# Altium PCB CASCADED thru hole preamp amps and LP+BP filter stages.PcbDoc
Units mil, origin at the board's own origin, x right, y up, seen from the top; angles counter-clockwise.
Board outline 2080 x 3135 mil, 4 copper layers (Top Layer, gnd1, gnd2, Bottom Layer), stack 23.756 mil thick; 47 components, 30 nets, 133 pads, 120 vias.
Unrouted connection lines stored in the file: 4.
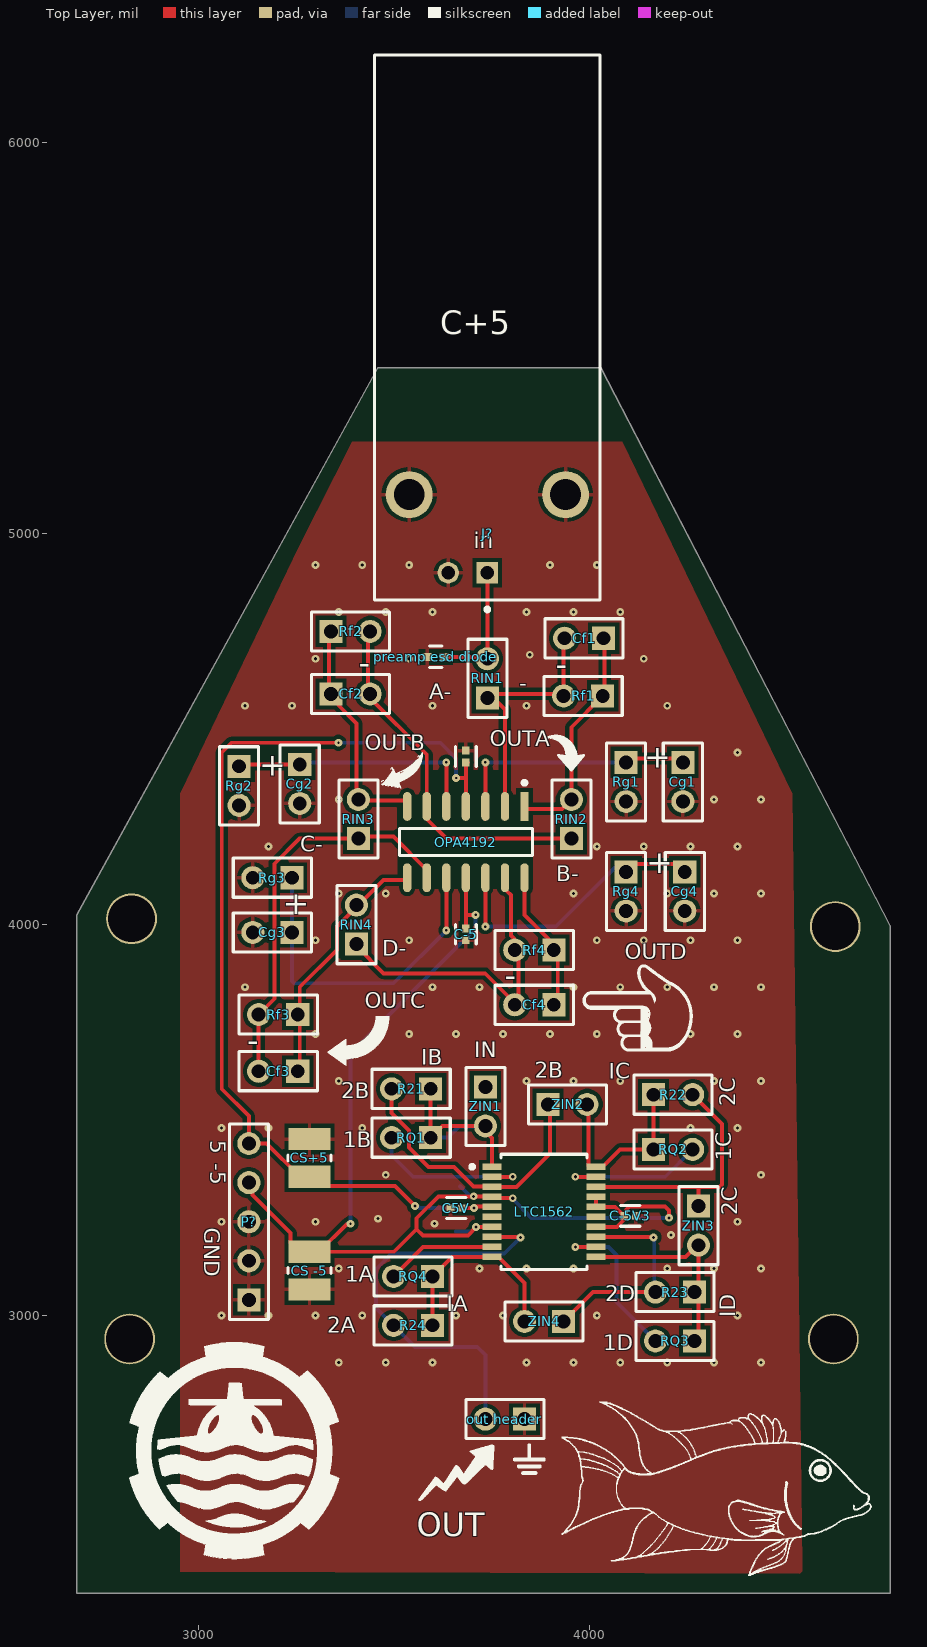
[diagram p0: Top Layer view]
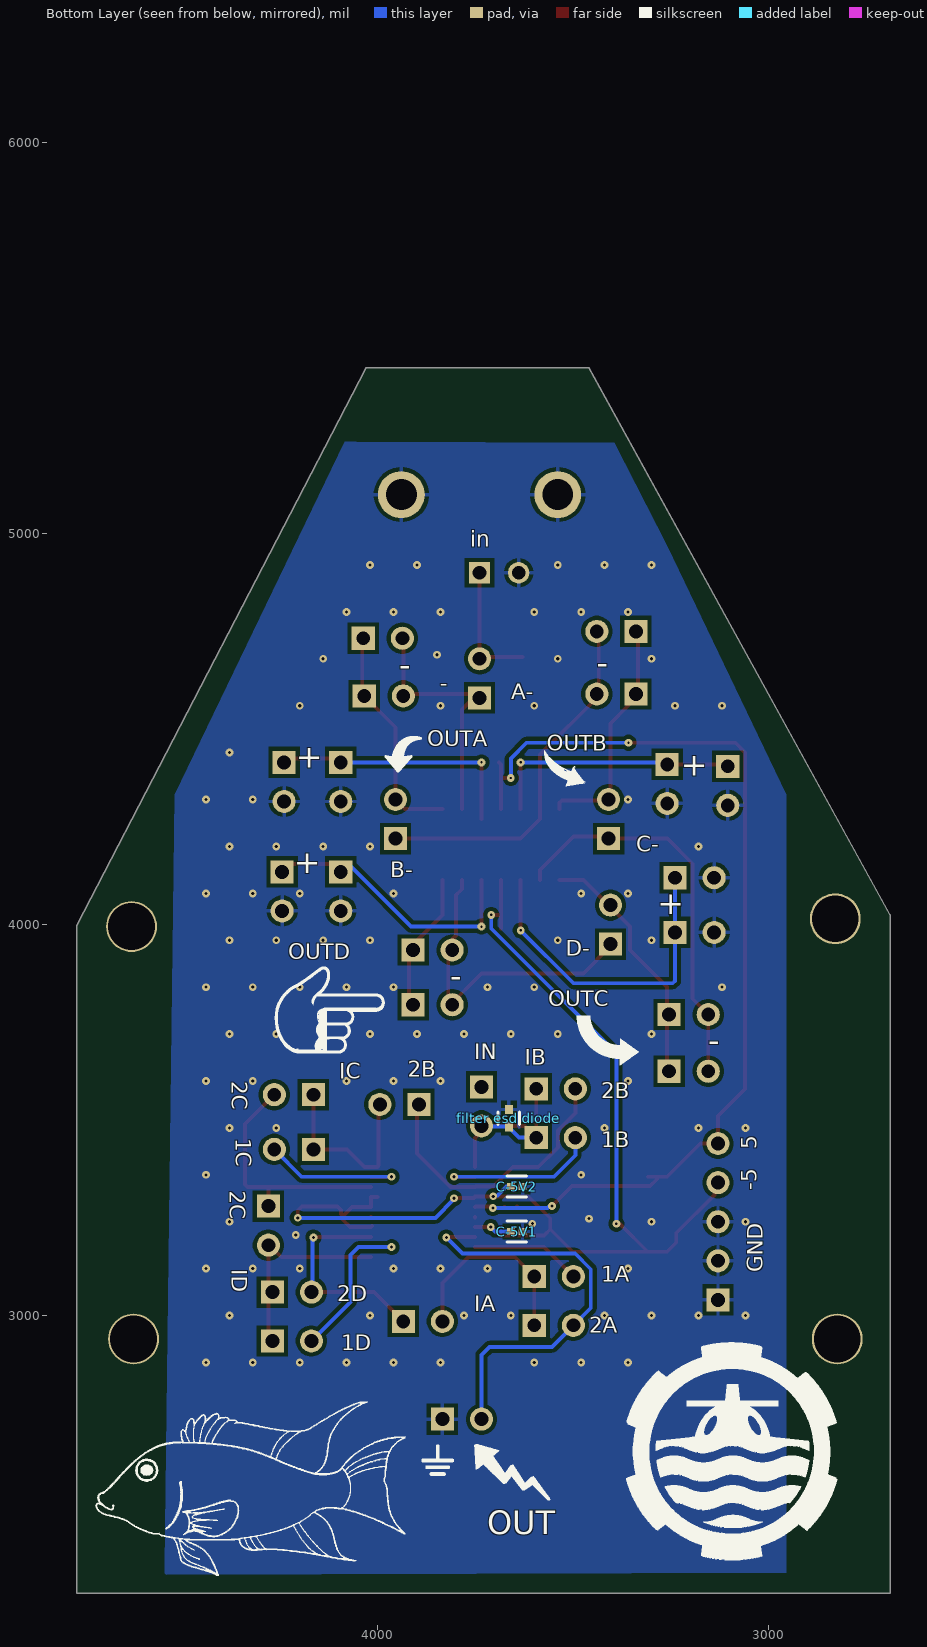
[diagram p1: Bottom Layer view, seen from below]
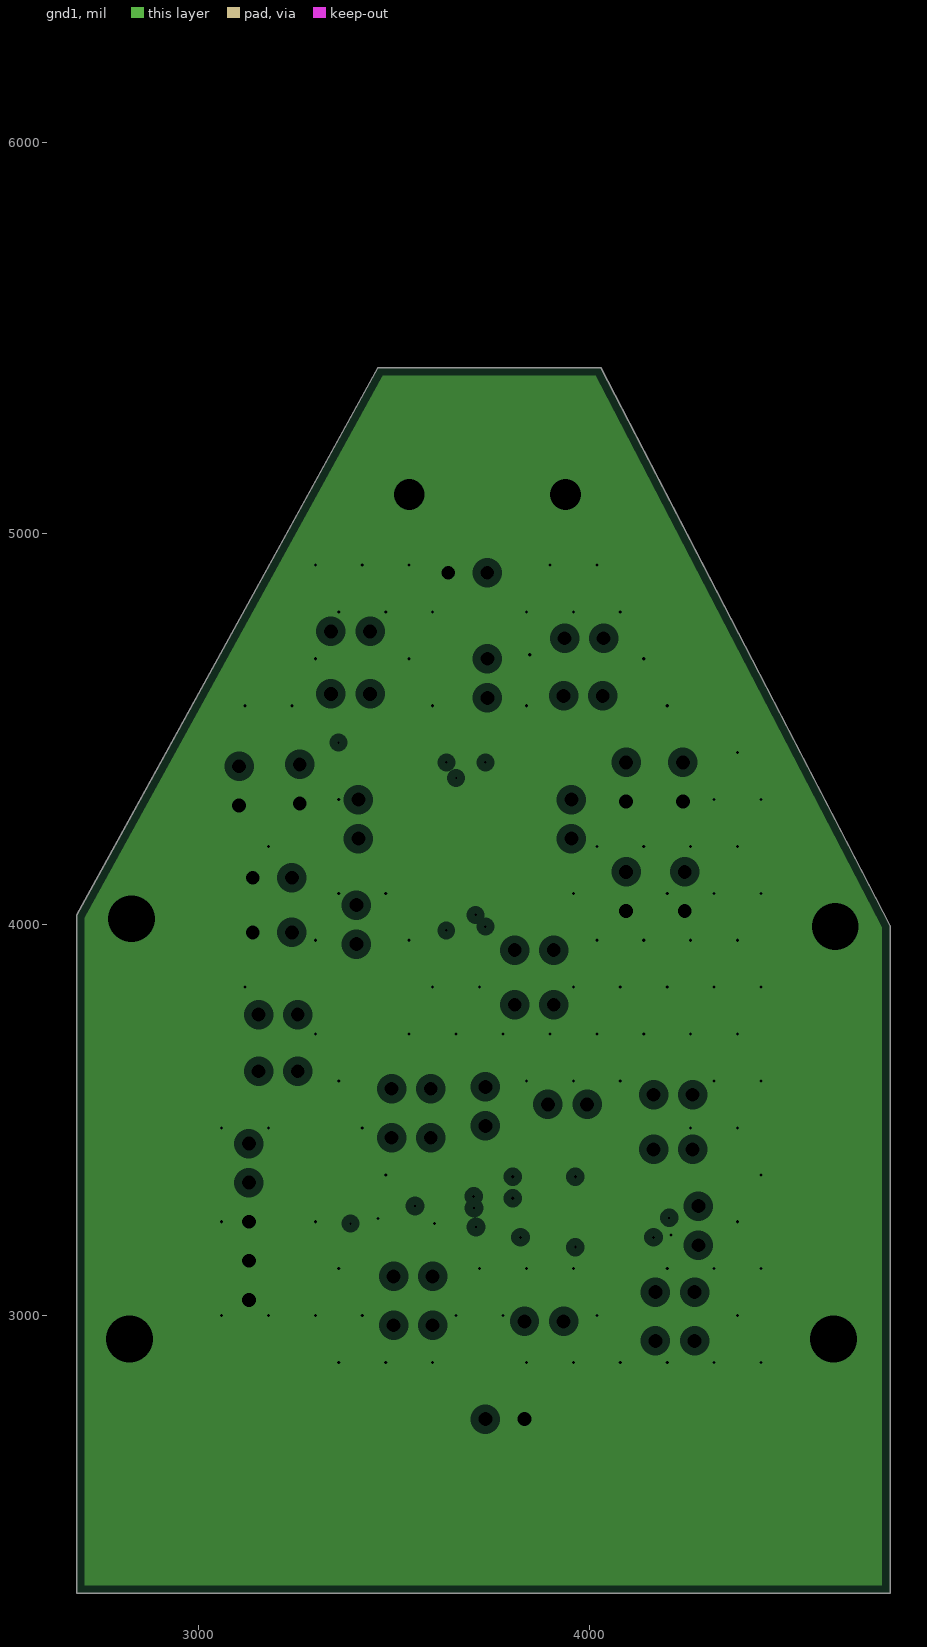
[diagram p2: gnd1, clearances drawn from the general rule]
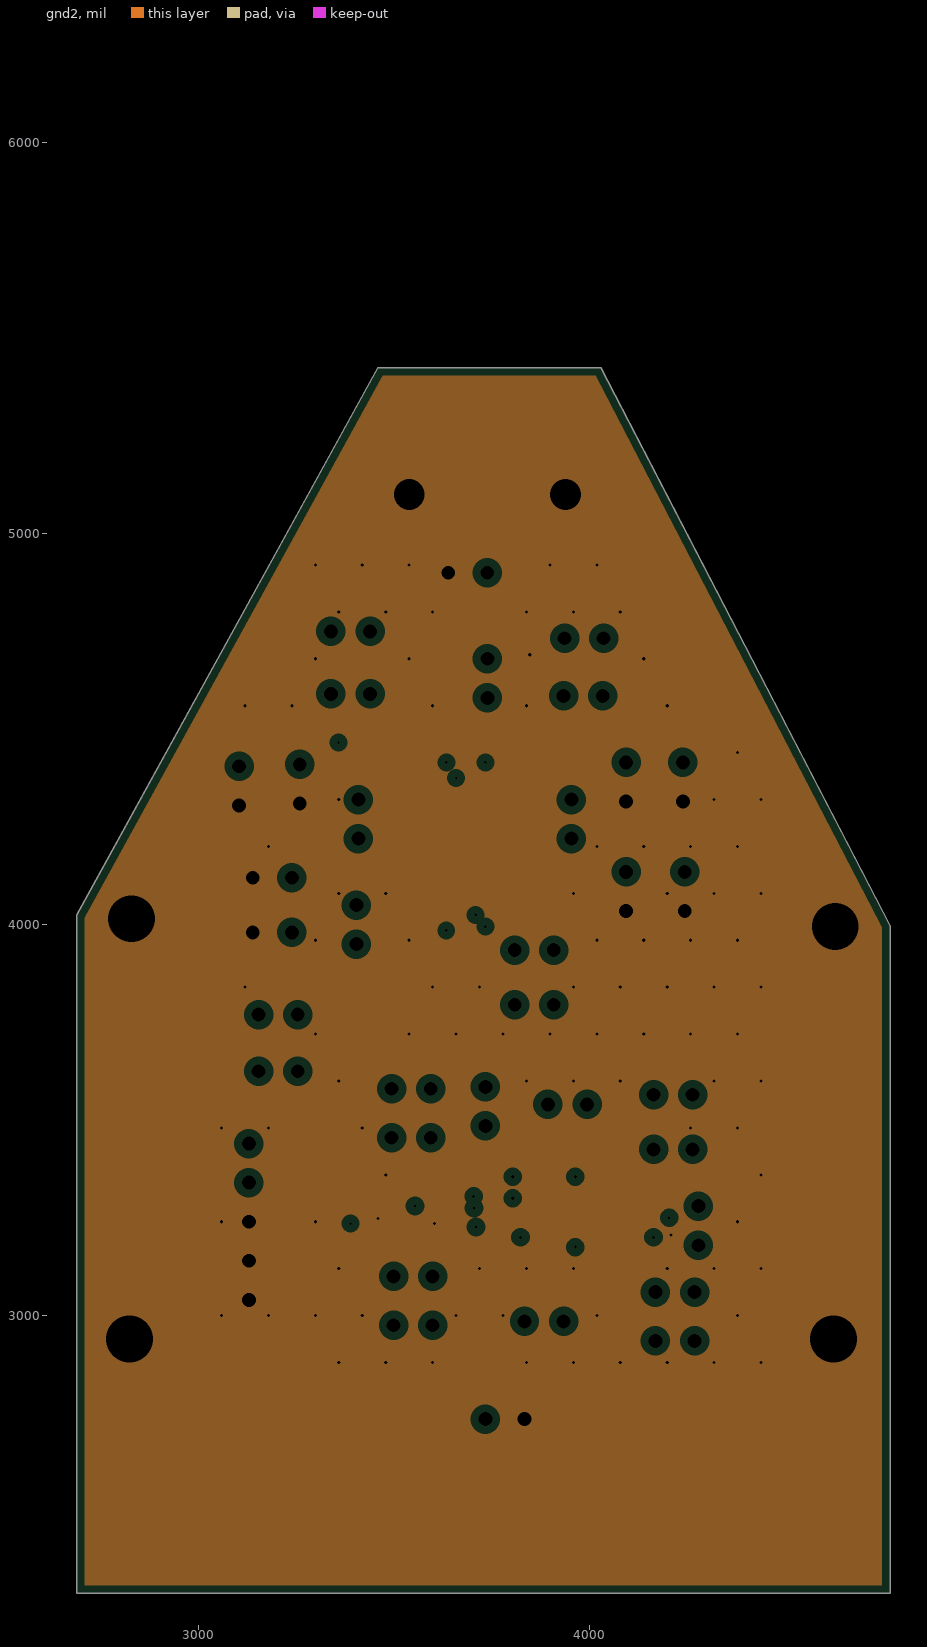
[diagram p3: gnd2, clearances drawn from the general rule]
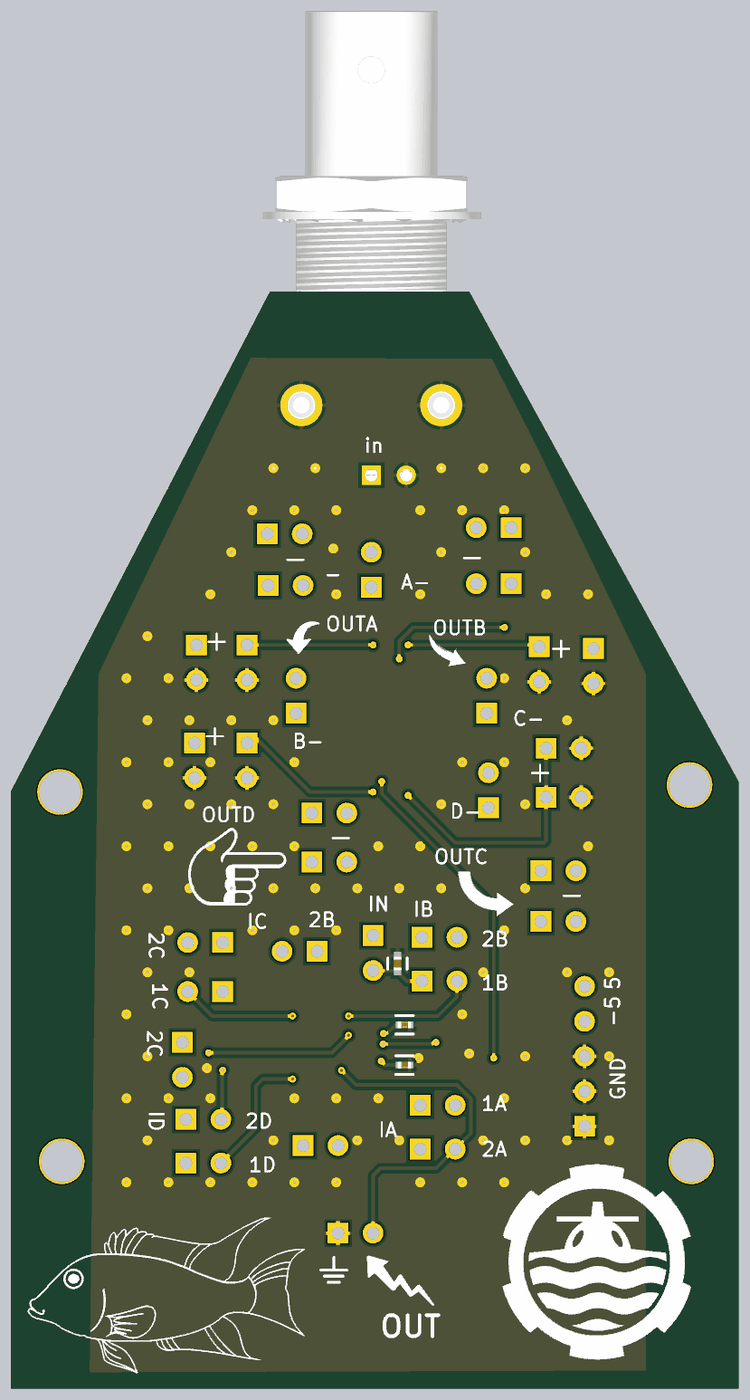
[diagram p4: 3D render of the assembled board from below, using the file's embedded part models]

## Layer stack, top to bottom
Top Solder: solder mask 0.4, Solder Resist, Dk 3.5
Top Layer: signal copper 1.4
Dielectric 2: prepreg 2.8, PP-006, Dk 4.1
gnd1: plane copper 1.378, net GND
Dielectric 1: dielectric 12.6, FR-4, Dk 4.8
gnd2: plane copper 1.378, net GND
Dielectric 3: prepreg 2.8, PP-006, Dk 4.1
Bottom Layer: signal copper 1.4
Bottom Solder: solder mask 0.4, Solder Resist, Dk 3.5

## Board outline
3460.28,5425 4029.6,5425 4770,3997.63 4770,2290 2690,2290 2690,4025

## Design rules (kind name [scope] priority, off if disabled: settings)
BoardOutlineClearance [All] p1: gap=30 ignorepadtopadclearanceinfootprint=FALSE
Clearance [All] p1: gap=10 ignorepadtopadclearanceinfootprint=FALSE except(0: Arc-Hole Track-Hole SMDPad-Hole THPad-Hole Via-Hole Fill-Hole Poly-Hole Region-Hole Text-Hole)
PlaneClearance [All] p1: clearance=20
PlaneConnect [All] p1: pad.planeconnectstyle=Relief pad.reliefexpansion=20 pad.reliefentries=4 pad.reliefconductorwidth=10 pad.reliefairgap=10 via.planeconnectstyle=Direct via.reliefexpansion=20 via.reliefentries=4 via.reliefconductorwidth=10 via.reliefairgap=10
PolygonConnect [All] p1: thpad.connectstyle=Relief thpad.reliefconductorwidth=10 thpad.reliefentries=4 thpad.polygonreliefangle="90 Angle" thpad.airgapwidth=10 smdpad.connectstyle=Relief smdpad.reliefconductorwidth=10 smdpad.reliefentries=4 smdpad.polygonreliefangle="90 Angle" smdpad.airgapwidth=10 via.connectstyle=Direct via.reliefconductorwidth=10 via.reliefentries=4 via.polygonreliefangle="90 Angle" via.airgapwidth=10
RoutingVias [All] p1: holewidth=6 width=20 viastyle="Through Hole" minholewidth=6 minwidth=20 maxholewidth=6 maxwidth=20
SolderMaskExpansion [All] p1: expansion=4 istentingtop=FALSE
Width [All] p1: maxlimit=10 minlimit=10 preferedwidth=10
28 further rules are at their usual default settings.

## Classes and differential pairs
component class "Thru hole preamp with charge or INV stages with input resistors": C+5 C-5 CF1 CF2 CF3 CF4 CG1 CG2 CG3 CG4 J? OPA4192 "preamp esd diode" RF1 RF2 RF3 RF4 RG1 RG2 RG3 RG4 RIN1 RIN2 RIN3 RIN4
component class "thru hole LTC1562 8th order 4 LP or BP stages": C5V C-5V1 C-5V2 C-5V3 "CS -5" CS+5 "filter esd diode" LTC1562 "out header" P? R21 R22 R23 R24 RQ1 RQ2 RQ3 RQ4 ZIN1 ZIN2 ZIN3 ZIN4

## Components (designator, comment, footprint, x,y, rotation, side; value= is the part's Value field where it differs from the comment)
C5V "CL05A104KA5NNNC" FP-CL278-IPC_C 3660.1,3275 r0 top
C+5 "CL05A104KA5NNNC" FP-CL278-IPC_C 3685,4430.1 r90 top
C-5 "CL05A104KA5NNNC" FP-CL278-IPC_C 3685,3975 r270 top
C-5V1 "CL05A104KA5NNNC" FP-CL278-IPC_C 3645.1,3215 r180 bottom
C-5V2 "CL05A104KA5NNNC" FP-CL278-IPC_C 3644.9,3330 r180 bottom
C-5V3 "CL05A104KA5NNNC" FP-CL278-IPC_C 4105.1,3255 r0 top
Cf1 "Header 2" HDR1X2 4037.5,4732.5 r180 top (schematic designator CF1)
Cf2 "Header 2" HDR1X2 3340,4590 r0 top (schematic designator CF2)
Cf3 "Header 2" HDR1X2 3255,3625 r180 top (schematic designator CF3)
Cf4 "Header 2" HDR1X2 3910,3795 r180 top (schematic designator CF4)
Cg1 "Header 2" HDR1X2 4240,4415 r270 top (schematic designator CG1)
Cg2 "Header 2" HDR1X2 3260,4410 r270 top (schematic designator CG2)
Cg3 "Header 2" HDR1X2 3240,3980 r180 top (schematic designator CG3)
Cg4 "Header 2" HDR1X2 4245,4135 r270 top (schematic designator CG4)
"CS -5" "CL32A157MQVNNNE" FP-CL32-IPC_C 3285,3115 r270 top
CS+5 "CL32A157MQVNNNE" FP-CL32-IPC_C 3285,3403.24 r90 top
"filter esd diode" "GG040205100N2P" FP-GG0402-MFG 3665,3505 r270 bottom value=10pF
J? "73138-5033" FP-73138-5033-MFG 3740,5527.36 r270 top
LTC1562 "LTC1562IG#PBF" FP-G-20-05-08-1640-MFG 3885,3265 r0 top
OPA4192 "OPA4192IDR" FP-D0014A-IPC_C 3685,4211.18 r270 top
"out header" "Header 2" HDR1X2 3835,2735 r180 top
P? "Header 5" HDR1X5 3130,3040 r90 top
"preamp esd diode" "GG040205100N2P" FP-GG0402-MFG 3607.95,4685 r0 top value=10pF
R21 "Header 2" HDR1X2 3595,3580 r180 top
R22 "Header 2" HDR1X2 4165,3565 r0 top
R23 "Header 2" HDR1X2 4270,3060 r180 top
R24 "Header 2" HDR1X2 3600,2975 r180 top
Rf1 "Header 2" HDR1X2 4035,4585 r180 top (schematic designator RF1)
Rf2 "Header 2" HDR1X2 3340,4750 r0 top (schematic designator RF2)
Rf3 "Header 2" HDR1X2 3255,3770 r180 top (schematic designator RF3)
Rf4 "Header 2" HDR1X2 3910,3935 r180 top (schematic designator RF4)
Rg1 "Header 2" HDR1X2 4095,4415 r270 top (schematic designator RG1)
Rg2 "Header 2" HDR1X2 3105,4405 r270 top (schematic designator RG2)
Rg3 "Header 2" HDR1X2 3240,4120 r180 top (schematic designator RG3)
Rg4 "Header 2" HDR1X2 4095,4135 r270 top (schematic designator RG4)
RIN1 "Header 2" HDR1X2 3740,4580 r90 top
RIN2 "Header 2" HDR1X2 3955,4220 r90 top
RIN3 "Header 2" HDR1X2 3410,4220 r90 top
RIN4 "Header 2" HDR1X2 3405,3950 r90 top
RQ1 "Header 2" HDR1X2 3595,3455 r180 top
RQ2 "Header 2" HDR1X2 4165,3425 r0 top
RQ3 "Header 2" HDR1X2 4270,2935 r180 top
RQ4 "Header 2" HDR1X2 3600,3100 r180 top
ZIN1 "Header 2" HDR1X2 3735,3585 r270 top
ZIN2 "Header 2" HDR1X2 3895,3540 r0 top
ZIN3 "Header 2" HDR1X2 4280,3280 r270 top
ZIN4 "Header 2" HDR1X2 3935,2985 r180 top

## Footprints (in the part's own frame and the unit in brackets; to place one, negate y for a bottom-side part, rotate by r counter-clockwise, add the part's x,y. Pads: shape width x height; smd on the part's side, far side on the other; paste and mask are expansions set on the pad)
FP-73138-5033-MFG [mm]
  rect 1.39x1.39 hole 0.89 paste-2539.97 mask+0: 1(15.935,0)
  round 1.39 hole 0.89 paste-2539.97 mask+0: 2(15.935,-2.54)
  round 3.05 hole 2 paste-2539.97 mask+0: 3(10.855,5.08) 4(10.855,-5.08)
  silkscreen extent -17.71,-7.33 18.44,7.33, body extent -17.82,-7.43 17.82,7.43, height 0.25
FP-CL32-IPC_C [mil]
  rect 57.19x106.46 smd paste+0 mask+0: 1(-48.24,0) 2(48.24,0)
  silkscreen extent -8,-55 8,55, body extent -81,-59 81,59, height 10
FP-CL278-IPC_C [mil]
  rect 20.29x18.6 smd paste+0 mask+0: 1(-14.9,0) 2(14.9,0)
  silkscreen extent -25,-27 25,27, body extent -29,-15 29,15, height 10
FP-D0014A-IPC_C [mil]
  rect 73.78x21.34 smd paste+0 mask+0: 1(-91.18,150)
  rrect100% 73.78x21.34 smd paste+0 mask+0: 2(-91.18,100) 3(-91.18,50) 4(-91.18,0) 5(-91.18,-50) 6(-91.18,-100) 7(-91.18,-150) 8(91.18,-150) 9(91.18,-100) 10(91.18,-50) 11(91.18,0) 12(91.18,50) 13(91.18,100) 14(91.18,150)
  silkscreen extent -156,-170 35,170, body extent -132,-174 132,174, height 10
FP-G-20-05-08-1640-MFG [mm]
  rect 1.25x0.42 smd paste+0 mask+0: 1(-3.375,2.925) 2(-3.375,2.275) 3(-3.375,1.625) 4(-3.375,0.975) 5(-3.375,0.325) 6(-3.375,-0.325) 7(-3.375,-0.975) 8(-3.375,-1.625) 9(-3.375,-2.275) 10(-3.375,-2.925) 11(3.375,-2.925) 12(3.375,-2.275) 13(3.375,-1.625) 14(3.375,-0.975) 15(3.375,-0.325) 16(3.375,0.325) 17(3.375,0.975) 18(3.375,1.625) 19(3.375,2.275) 20(3.375,2.925)
  silkscreen extent -4.8,-3.75 2.8,3.75, body extent -4.1,-4 4.1,4, height 0.25
FP-GG0402-MFG [mm]
  rect 0.61x0.51 smd paste+0 mask+0: 1(-0.56,0) 2(0.56,0)
  silkscreen extent -0.4,-0.7 0.4,0.7, body extent -0.5,-0.3 0.5,0.3, height 0.55
HDR1X2 [mm] "Connector; Header; 2 Position"
  rect 1.5x1.5 hole 0.9: 1(0,0)
  round 1.5 hole 0.9: 2(2.54,0)
  silkscreen extent -1.27,-1.27 3.81,1.27
HDR1X5 [mm] "Connector; Header; 5 Position"
  rect 1.5x1.5 hole 0.9: 1(0,0)
  round 1.5 hole 0.9: 2(2.54,0) 3(5.08,0) 4(7.62,0) 5(10.16,0)
  silkscreen extent -1.27,-1.27 11.43,1.27

## Part data
C5V C+5 C-5 C-5V1 C-5V2 C-5V3: library part CMP-13271-000728-1, "Cap Ceramic 100nF 25V X5R ±10% SMD 0402 +85°C Paper T/R", Capacitance=100nF, Case Code (Imperial)=0402, Case Code (Metric)=1005, Dielectric=X5R, Max Operating Temperature=85°C, Min Operating Temperature=-55°C, Package Quantity=1, Tolerance=10%, Voltage=25V, Case/Package=0402, Depth=0.5mm, Height=0.5mm, Lead Free="Lead Free", Length=1mm, Mount="Surface Mount", Packaging="Tape and Reel", Radiation Hardening=No, Thickness=0.022inch, Voltage Rating=25V, Voltage Rating (DC)=25V, Width=0.02inch
Cf1 Cf2 Cf3 Cf4 Cg1 Cg2 Cg3 Cg4 "out header" R21 R22 R23 R24 Rf1 Rf2 Rf3 Rf4 Rg1 Rg2 Rg3 Rg4 RIN1 RIN2 RIN3 RIN4 RQ1 RQ2 RQ3 RQ4 ZIN1 ZIN2 ZIN3 ZIN4: "Header, 2-Pin", LatestRevisionDate=17-Jul-2002, LatestRevisionNote="Re-released for DXP Platform.", Publisher="Altium Limited"
"CS -5" CS+5: library part CMP-2000-06109-2, "Cap Ceramic 150uF 6.3V X5R ±20% SMD 1210 +85°C Embossed T/R", Capacitance=150uF, Case Code (Imperial)=1210, Case Code (Metric)=3225, Max Operating Temperature=85°C, Min Operating Temperature=-55°C, Package Quantity=1, Tolerance=20%, Voltage Rating=6.3V, Case/Package=1210, Lead Free="Lead Free", Length=0.126inch, Mount="Surface Mount", Packaging="Tape and Reel", Thickness=0.11inch, Voltage Rating (DC)=6.3V, Width=0.098inch
"filter esd diode" "preamp esd diode": library part CMP-04587-000001-1, "TVS DIODE 5V 12V 0402", Breakdown Voltage=5.5V, Capacitance=10pF, Clamping Voltage=12V, Manufacturer="AVX Corporation", Package=GG0402, Peak Pulse Current=16A, Peak Pulse Power=96W, Reverse Standoff Voltage=5V, Temperature="-55°C to +125°C", Temperature Range High=+125°C, Temperature Range Low=-55°C, Automotive=No, Category=Diode, ComponentLink2Description=Datasheet, ComponentLink2URL=http://datasheets.avx.com/AVX-GiGuard.pdf, Device Class L1="Circuit Protection", Device Class L2="TVS Diodes", Device Class L3=unset, Digikey Description="TVS DIODE 5V 12V 0402", Direction=Bidirectional, Height=0.55mm, Ipc Land Pattern Name=DIOC10060X50, Lead Free=Yes, Manufacturer Part Number=GG040205100N2P, Number of Channels=1, Octopart=https://octopart.com/gg040205100n2p-avx-81066081, RoHS=TRUE
J?: library part CMP-00257-00776601-1, "73138-5033 RF BNC Connector, Female, Panel Mount, Board And Panel Mount, Solder Terminal, Receptacle", Dielectric Material=PP, Frequency=2GHz, Housing Color=Silver, Manufacturer Lifecycle Status=ACTIVE, Body Material=Zinc, Body Plating=Nickel, Connector Type="BNC, Receptacle, Socket", Contact Material=Bronze, Contact Plating=Gold, Country of Origin=US, Depth=14.66mm, Fastening Type=Bayonet, Gender=Female, Impedance=50Ω, Insulation Material=Polypropylene, Lead Free="Lead Free", Length=35.43mm, Lifecycle Status=Production, Mount="Through Hole", NexarPartId=776601, Orientation="Right Angle", Packaging=Bulk, Radiation Hardening=No, RoHS=Compliant, Termination=Solder
LTC1562: library part CMP-09114-000012-1, "IC FILTER 150KHZ UNIV 20SSOP", Case/Package=SSOP, Dual Supply Voltage=5V, Max Dual Supply Voltage=5.25V, Max Operating Temperature=85°C, Max Supply Voltage=10.5V, Min Dual Supply Voltage=2.375V, Min Operating Temperature=-40°C, Min Supply Voltage=4.75V, Nominal Supply Current=19mA, Package Quantity=66, Filter Type=UNIVERSAL, Height=1.78mm, Lead Free="Lead Free", Length=7.33mm, Mount="Surface Mount", Number of Circuits=4, Number of Pins=20, Packaging=Rail/Tube, Radiation Hardening=No, RoHS Compliant=Yes, Series=-, Supply Current=19mA, Type=Active, Width=5.38mm
OPA4192: library part CMP-04895-000275-1, "IC OPAMP GP 4 CIRCUIT 14SOIC", Case/Package=SOIC, Input Bias Current=5pA, Input Offset Voltage (Vos)=5uV, Max Dual Supply Voltage=18V, Max Operating Temperature=125°C, Max Supply Voltage=36V, Min Dual Supply Voltage=2.25V, Min Operating Temperature=-40°C, Min Supply Voltage=4.5V, Operating Supply Current=1mA, Output Current per Channel=65mA, Voltage Gain=140dB, Common Mode Rejection Ratio=100dB, Gain Bandwidth Product=10MHz, Lead Free="Lead Free", Mount="Surface Mount", Number of Channels=4, Number of Circuits=1, Number of Pins=14, Packaging="Tape and Reel", RoHS Compliant=Yes, Slew Rate=20V/µs
P?: "Header, 5-Pin", LatestRevisionDate=17-Jul-2002, LatestRevisionNote="Re-released for DXP Platform.", Publisher="Altium Limited"

## Free pads (board coordinates)
  round 130 hole 120: 6(2825,2940) 6(2830,4015) 6(4625,2940) 6(4630,3995)

## Via types
v1: diameter 20, hole 8, Top Layer to Bottom Layer, 112 vias
v2: diameter 20, hole 6, Top Layer to Bottom Layer, 8 vias

## Nets (pads, with @x,y where several pads share a name; then routed paths per layer and width w, separated by ;. In a path a pad name is that pad's centre, name@x,y a point inside that pad or via, vN(x,y) a via of type N, cw(c..) or ccw(c..) an arc to the next point about the centre after c; other vN are vias at no path point)
5V: C5V.2 C+5.1 CS+5.1 LTC1562.5 OPA4192.4 P?.5 | length 2601.2
  Top Layer w10: CS+5.1@3309.64,3355 CS+5.1 ; v2(3359.03,4465.33) 3085.06,4465.33 3060.47,4440.74 3060.47,3579.53 3130,3510 P?.5 3175.36,3440 3260.36,3355 CS+5.1 ; v1(3555,3280) 3503.6,3331.4 3303.6,3331.4 3285,3350 CS+5.1 ; v2(3660,4375) 3685,4375 ; C5V.2@3676.4,3277.5 3678.89,3275.01 v1(3706,3275.02) ; OPA4192.4@3685,4296.18 OPA4192.4 3685,4375 ; C+5.1@3690,4415.1 3690,4414.25 3685,4409.25 3685,4375 ; v1@3706.1,3278.9 3751.02,3278.9 LTC1562.5
  Bottom Layer w10: v2(3359.03,4465.33) 3620.03,4465.33 3660,4425.36 v2(3660,4375) ; v1(3555,3280) 3556.91,3278.09 3563.35,3278.09 3565.86,3275.58 3705.43,3275.58 v1(3706,3275.02)
"+IN A": Cg1.1 OPA4192.3 Rg1.1 | length 652.5
  Top Layer w10: OPA4192.3@3735,4269.96 v2(3735,4415) ; Rg1.1 4105,4425 4230,4425 Cg1.1
  Bottom Layer w10: v2(3735,4415) 3905,4415 3905.09,4415.09 4075.09,4415.09 Rg1.1@4085,4425
"+IN B": Cg2.1 OPA4192.5 Rg2.1 | length 663
  Top Layer w10: Rg2.1 3110,4410 Cg2.1 ; OPA4192.5@3635,4296.18 v2(3635,4415)
  Bottom Layer w10: Cg2.1@3250,4410 3255,4415 v2(3635,4415)
"+IN C": Cg3.1 OPA4192.10 Rg3.1 | length 846.6
  Top Layer w10: v2(3634.82,3985.18) 3635,3985.18 OPA4192.10@3635,4113.82
  Bottom Layer w10: Rg3.1 Cg3.1 3240,3855.86 3245.86,3850 3500,3850 3635,3985 v2(3634.82,3985.18)
"+IN D": Cg4.1 OPA4192.12 Rg4.1 | length 695.1
  Top Layer w10: v2(3735,3995) OPA4192.12@3735,4113.82 ; Rg4.1@4085,4155 Cg4.1@4245,4155
  Bottom Layer w10: v2(3735,3995) 3915,3995 4075,4155 Rg4.1@4085,4155
-5V: "CS -5.1" C-5.1 C-5V1.1 C-5V2.1 C-5V3.1 LTC1562.4 LTC1562.7 LTC1562.14 LTC1562.16 LTC1562.17 OPA4192.11 P?.4 | length 3108.9
  Top Layer w10: P?.4 3139.39,3330.61 3139.39,3308.85 3236.77,3211.47 3236.77,3186.83 3260.36,3163.24 3285,3163.24 3309.64,3163.24 ; v2(3390,3235) 3388.09,3233.09 3379.49,3233.09 3309.64,3163.24 ; C-5.1 3685,4025 ; OPA4192.11@3685,4113.82 3685,4025 ; v2(3710,4025) 3685,4025 ; LTC1562.7 3711.61,3226.61 v1(3711.2,3226.2) 3690,3205 3575,3205 3559.14,3220.86 ; v1(3805,3300) 3803.94,3301.06 3754.45,3301.06 LTC1562.4 3751.32,3304.19 3705.81,3304.19 v1(3705,3305) 3615.36,3305 3559.14,3248.79 3559.14,3220.86 ; LTC1562.17@4001.54,3303.39 LTC1562.17 LTC1562.16 4066.55,3277.8 4089.35,3255 C-5V3.1 ; LTC1562.14@4015.55,3228.94 LTC1562.14 4071.61,3226.61 4090,3245 ; C-5V3.1@4094.86,3259.3 4094.86,3270.51 4103.64,3279.3 4194.5,3279.3 4205,3268.8 v1(4205,3250) ; 3309.64,3163.24 3501.52,3163.24 3559.14,3220.86
  Bottom Layer w10: v2(3390,3235) 3390,3670 3710,3990 v2(3710,4025) ; C-5V1.1 3700,3215 v1(3711.2,3226.2) ; 3670,3330 3670.84,3330 3693.93,3306.91 ; v1(3805,3300) 3805,3297.68 3852.68,3250 v1(4205,3250)
"-IN A": Cf1.2 OPA4192.2 Rf1.2 RIN1.1 | length 661.6
  Top Layer w10: RIN1.1@3740,4595 RIN1.1@3745,4590 ; OPA4192.2@3785,4296.18 3785,4550 RIN1.1@3745,4590 ; Cf1.2@3940,4735 3935,4730 Rf1.2 3930,4590 RIN1.1@3745,4590
"-IN B": Cf2.2 OPA4192.6 Rf2.2 RIN2.1 | length 917.9
  Top Layer w10: Rf2.2@3435,4735 3435,4585 3585,4435 3585,4296.18 3585,4269.96 3634.96,4220 RIN2.1
"-IN C": Cf3.2 OPA4192.9 Rf3.2 RIN3.1 | length 1025.1
  Top Layer w10: Cf3.2 Rf3.2 3195.47,3810.47 3195.47,4155.74 3259.73,4220 RIN3.1 ; RIN3.1@3410,4225 3500.04,4225 3585,4140.04 OPA4192.9@3585,4113.82
"-IN D": Cf4.2 OPA4192.13 Rf4.2 RIN4.1 | length 817.8
  Top Layer w10: RIN4.1@3405,3945 3474.5,3875.5 3734.5,3875.5 3820,3790 3820,3951.76 3800,3971.76 3800,4076.07 3790.64,4085.43 3790.24,4085.43 3785,4090.67 OPA4192.13@3785,4113.82
"FILTER INPUT": ZIN1.1
GND: "CS -5.2" "filter esd diode.1" "out header.1" "preamp esd diode.1" C5V.1 C+5.2 C-5.2 C-5V1.2 C-5V2.2 C-5V3.2 Cg1.2 Cg2.2 Cg3.2 Cg4.2 CS+5.2 J?.2 J?.3 J?.4 LTC1562.6 LTC1562.15 P?.1 P?.2 P?.3 pad.6 Rg1.2 Rg2.2 Rg3.2 Rg4.2 | length 10
  Top Layer w10: C5V.1@3643.8,3279.45 3644.64,3279.45 C5V.1@3648.61,3275.48 ; LTC1562.6@3751.12,3251.2 LTC1562.6 ; LTC1562.15@4017.5,3251.83 LTC1562.15 LTC1562.15@4018.98,3251.1
  other v1: 3360,2880 3480,2880 3600,2880 3840,2880 3960,2880 4080,2880 4200,2880 4320,2880 4440,2880 3060,3000 3180,3000 3300,3000 3420,3000 3660,3000 3780,3000 4020,3000 4380,3000 3360,3120 3720,3120 3840,3120 3960,3120 4200,3120 4320,3120 4440,3120 4210.04,3206.25 3605,3235 3060,3240 3300,3240 4380,3240 3460.02,3247.82 3480,3360 4440,3360 3060,3480 3180,3480 3420,3480 4260,3480 4380,3480 3360,3600 3840,3600 3960,3600 4080,3600 4320,3600 4440,3600 3300,3720 3540,3720 3660,3720 3780,3720 3900,3720 4020,3720 4140,3720 4260,3720 4380,3720 3120,3840 3600,3840 3720,3840 3960,3840 4080,3840 4200,3840 4320,3840 4440,3840 3300,3960 3540,3960 4020,3960 4140,3960 4260,3960 4380,3960 3360,4080 3480,4080 3960,4080 4200,4080 4320,4080 4440,4080 3180,4200 4020,4200 4140,4200 4260,4200 4380,4200 3360,4320 4320,4320 4440,4320 4380,4440 3120,4560 3240,4560 3600,4560 3840,4560 4200,4560 3300,4680 3540,4680 4140,4680 3848.54,4690.28 3360,4800 3480,4800 3600,4800 3840,4800 3960,4800 4080,4800 3300,4920 3420,4920 3540,4920 3900,4920 4020,4920
"INV A": LTC1562.10 R24.1 RQ4.1 ZIN4.2 | length 506.5
  Top Layer w10: R24.1 RQ4.1 3649.84,3149.84 LTC1562.10 3768.46,3149.84 3835,3083.31 ZIN4.2
"INV B": "filter esd diode.2" LTC1562.1 R21.1 RQ1.1 ZIN1.2 | length 542.9
  Top Layer w10: R21.1 RQ1.1 3625,3485 ZIN1.2 3735,3471.73 3752.13,3454.6 LTC1562.1
  Bottom Layer w10: RQ1.1 3639.02,3455 3665,3480.98 3665,3482.95 3666.02,3483.98 3733.98,3483.98 ZIN1.2
"INV C": LTC1562.20 R22.1 RQ2.1 ZIN2.2 | length 480
  Top Layer w10: ZIN2.2@3998.27,3536.73 3998.27,3383.43 4001.54,3380.16 LTC1562.20 4034.21,3380.16 4079.06,3425 RQ2.1 R22.1
"INV D": LTC1562.11 R23.1 RQ3.1 ZIN3.2 | length 523.8
  Top Layer w10: LTC1562.11 4247.19,3149.84 4277.34,3180 ZIN3.2 4280,2945 RQ3.1
"OUT A": Cf1.1 OPA4192.1 Rf1.1 RIN2.2 | length 580.1
  Top Layer w10: OPA4192.1@3835,4296.18 3931.18,4296.18 RIN2.2 3955,4505 Rf1.1 4040,4590 Cf1.1@4040,4735
"OUT B": Cf2.1 OPA4192.7 Rf2.1 RIN3.2 | length 590.3
  Top Layer w10: Rf2.1@3335,4735 3335,4585 3360,4560 3405,4515 3405,4325 3412.6,4317.4 3529.76,4317.4 3535,4312.16 OPA4192.7@3535,4296.18
"OUT C": Cf3.1 OPA4192.8 Rf3.1 RIN4.2 | length 633.6
  Top Layer w10: Cf3.1@3260,3630 3260,3770 3260,3840 3355,3935 3355,3995 3405,4045 3473.82,4113.82 OPA4192.8@3535,4113.82
"OUT D": Cf4.1 OPA4192.14 Rf4.1 | length 359
  Top Layer w10: OPA4192.14@3835,4113.82 3835,4025 3895,3965 3920,3940 Cf4.1@3920,3790
"PREAMP INPUT": "preamp esd diode.2" J?.1 RIN1.2 | length 317.1
  Top Layer w10: 3630,4685 3735,4685 RIN1.2 ; RIN1.2@3740,4695 J?.1
"V1 A": LTC1562.9 RQ4.2 | length 283.4
  Top Layer w10: RQ4.2 3575.43,3175.43 LTC1562.9
"V1 B": LTC1562.2 RQ1.2 | length 430.8
  Top Layer w10: LTC1562.2 3752.34,3354.78 3804.78,3354.78 v1(3805,3355)
  Bottom Layer w10: RQ1.2 3495,3410 3550,3355 v1(3805,3355)
"V1 C": LTC1562.19 RQ2.2 | length 382
  Top Layer w10: v1(3965,3355) 3965.22,3354.78 4017.66,3354.78 LTC1562.19
  Bottom Layer w10: v1(3965,3355) 4195,3355 RQ2.2
"V1 D": LTC1562.12 RQ3.2 | length 437.8
  Top Layer w10: v1(3965,3175) 3965.22,3175.22 4017.66,3175.22 LTC1562.12
  Bottom Layer w10: v1(3965,3175) 4050,3175 4070,3155 4070,3035 RQ3.2 RQ3.2@4170,2945
"V2 A": "out header.2" LTC1562.8 R24.2 | length 1069.1
  Top Layer w10: LTC1562.8 3752.64,3200.51 3824.49,3200.51 v1(3825,3200)
  Bottom Layer w10: 3735,2735 3735,2899.14 3714.14,2920 3555,2920 R24.2 3455.47,3019.53 3455.47,3118.44 3495.29,3158.27 3783.27,3158.27 v1(3825,3200)
"V2 B": LTC1562.3 R21.2 ZIN2.1 | length 733.6
  Top Layer w10: R21.2 3495,3517.97 3539.53,3473.44 3539.53,3430.2 3589.73,3380 3655,3380 3705,3330 3751.1,3330 LTC1562.3 3814.33,3328.98 3900,3414.64 ZIN2.1@3900,3535 ; 3995,3555 4000,3550
"V2 C": LTC1562.18 R22.2 ZIN3.1 | length 634.8
  Top Layer w10: LTC1562.18 4280,3328.98 ; R22.2 4340,3490 4340,3334.83 4334.14,3328.98 4280,3328.98 ; ZIN3.1 4280,3328.98
"V2 D": LTC1562.13 R23.2
V2D: ZIN4.1
copper on no net: | length 555.7
  Top Layer w10: 3935,2985 4010,3060 4170,3060 ; 4017.87,3201.02 4018.39,3200.51 4164.49,3200.51 v1(4165,3200)
  Bottom Layer w10: v1(4165,3200) 4166.91,3198.09 4166.91,3063.09 4170,3060

## Polygon pours and split planes (outlines as drawn)
GND on Bottom Layer "GND_L04_P001" (solid, pour order 1): 2955,2342.5 4545,2337.5 4545,2357.5 4520,4332.5 4085,5235 4055,5235 3395,5232.5 3260,4967.5 2955,4332.5
GND on Top Layer "GND_L01_P000" (solid, pour order 0): 2955,2345 4545,2340 4545,2360 4520,4335 4085,5235 4055,5235 3395,5235 3260,4970 2955,4335
GND on gnd2 (split plane): 4749.9,3992.73 4749.9,2310.1 2710.1,2310.1 2710.1,4019.84 3472.16,5404.9 4017.38,5404.9
GND on gnd1 (split plane): 4749.9,3992.73 4749.9,2310.1 2710.1,2310.1 2710.1,4019.84 3472.16,5404.9 4017.38,5404.9

## Other copper
Top Layer:
  pour cut-out: 4176.33,3183.04 4180,3179.37 4180,3160 4057.62,3160 4045,3172.62 4045,3190 4155,3190 4165,3200
  pour cut-out: 3770,3415 3990,3415 3993.43,3411.57 3993.43,3116.57 3778.43,3116.57 3775,3120
  pour cut-out: 3801.73,3116.57 3993.43,3116.57 3985,3125 3985,3410 3765,3410 3770,3415 3990,3415
  pour cut-out: 3513.92,4302.11 3510,4298.19 3510,4110 3855,4110 3855.67,4110.67 3855.67,4311.48
  pour cut-out: 3590,4400 3595,4395 3775,4395 3775,4330 3770,4325 3595,4325

## Silkscreen, mask and mechanical layers (free items; w line width, h text height)
Top Overlay:
  drawing of 198 lines, arcs and shapes, not listed
  text "in" at 3705.2,4963.41 h40
  text "-" at 3411,4640.29 h60
  text "-" at 3915.08,4636.58 h60
  text "-" at 3821,4598.86 h40
  text "A-" at 3591,4576 h40
  text "OUTA" at 3746,4456 h40
  text "OUTB" at 3426,4446 h40
  text "+" at 4141,4401 h60
  text "+" at 3156,4381 h60
  text "C-" at 3261,4186 h40
  text "+" at 4146,4131 h60
  text "B-" at 3916,4111 h40
  text "+" at 3216,4026 h60
  text "D-" at 3471,3921 h40
  text "OUTD" at 4091,3911 h40
  text "-" at 3785.08,3841.58 h60
  text "OUTC" at 3426,3786 h40
  text "-" at 3126,3675.29 h60
  text "IN" at 3706,3661 h40
  text "IB" at 3571,3641 h40
  text "2B" at 3861.73,3607.9 h40
  text "IC" at 4051,3606 h40
  text "2B" at 3366,3556 h40
  text "2C" at 4374,3536 h40 r90
  text "5" at 3031,3449 h40 r270
  text "1B" at 3371,3431 h40
  text "1C" at 4364,3396 h40 r90
  text "-5" at 3031,3389 h40 r270
  text "2C" at 4379,3256 h40 r90
  text "GND" at 3016,3224 h40 r270
  text "output" at 6,3119.33 h40
  text "1A" at 3376,3086 h40
  text "2D" at 4041,3036 h40
  text "IA" at 3636,3011 h40
  text "ID" at 4374,2996 h40 r90
  text "2A" at 3331,2956 h40
  text "1D" at 4036,2911 h40
  text "stage 3" at 0,2650 h40
  text "OUT" at 3560,2435 h60
Bottom Overlay:
  drawing of 20 lines, arcs and shapes, not listed
  text "in" at 3764,4966 h40
  text "-" at 3411,4640.29 h60
  text "-" at 3916,4635.29 h60
  text "-" at 3821,4598.86 h40
  text "A-" at 3659,4576 h40
  text "OUTA" at 3874,4456 h40
  text "OUTB" at 3568.22,4445.22 h40
  text "+" at 4141,4401 h60
  text "+" at 3156,4381 h60
  text "C-" at 3339,4186 h40
  text "+" at 4146,4131 h60
  text "B-" at 3969,4121 h40
  text "+" at 3216,4026 h60
  text "D-" at 3519,3921 h40
  text "OUTD" at 4229,3911 h40
  text "-" at 3786,3840.29 h60
  text "OUTC" at 3564,3791 h40
  text "-" at 3126,3675.29 h60
  text "IN" at 3754,3656 h40
  text "IB" at 3624,3641 h40
  text "2B" at 3924,3611 h40
  text "IC" at 4099,3606 h40
  text "2C" at 4374,3599 h40 r90
  text "2B" at 3429,3556 h40
  text "1C" at 4364,3454 h40 r90
  text "1B" at 3429,3431 h40
  text "5" at 3031,3426 h40 r270
  text "-5" at 3031,3321 h40 r270
  text "2C" at 4379,3319 h40 r90
  text "ID" at 4374,3119 h40 r90
  text "GND" at 3016,3111 h40 r270
  text "1A" at 3429,3086 h40
  text "2D" at 4104,3036 h40
  text "IA" at 3754,3011 h40
  text "2A" at 3459,2956 h40
  text "1D" at 4094,2911 h40
  text "OUT" at 3720,2440 h60